# Altium PCB 6502_CPU_MainBoard_PCB_V1_2_x.PcbDoc (part 4 of 4)
Units mil, origin at the board's own origin, x right, y up, seen from the top; angles counter-clockwise.
Board outline 9000 x 6000 mil, 4 copper layers (Top Layer, Plane(GND), Plane(Power), Bottom Layer), stack 23.756 mil thick; 366 components, 374 nets, 1460 pads, 604 vias.
Unrouted connection lines stored in the file: 40.
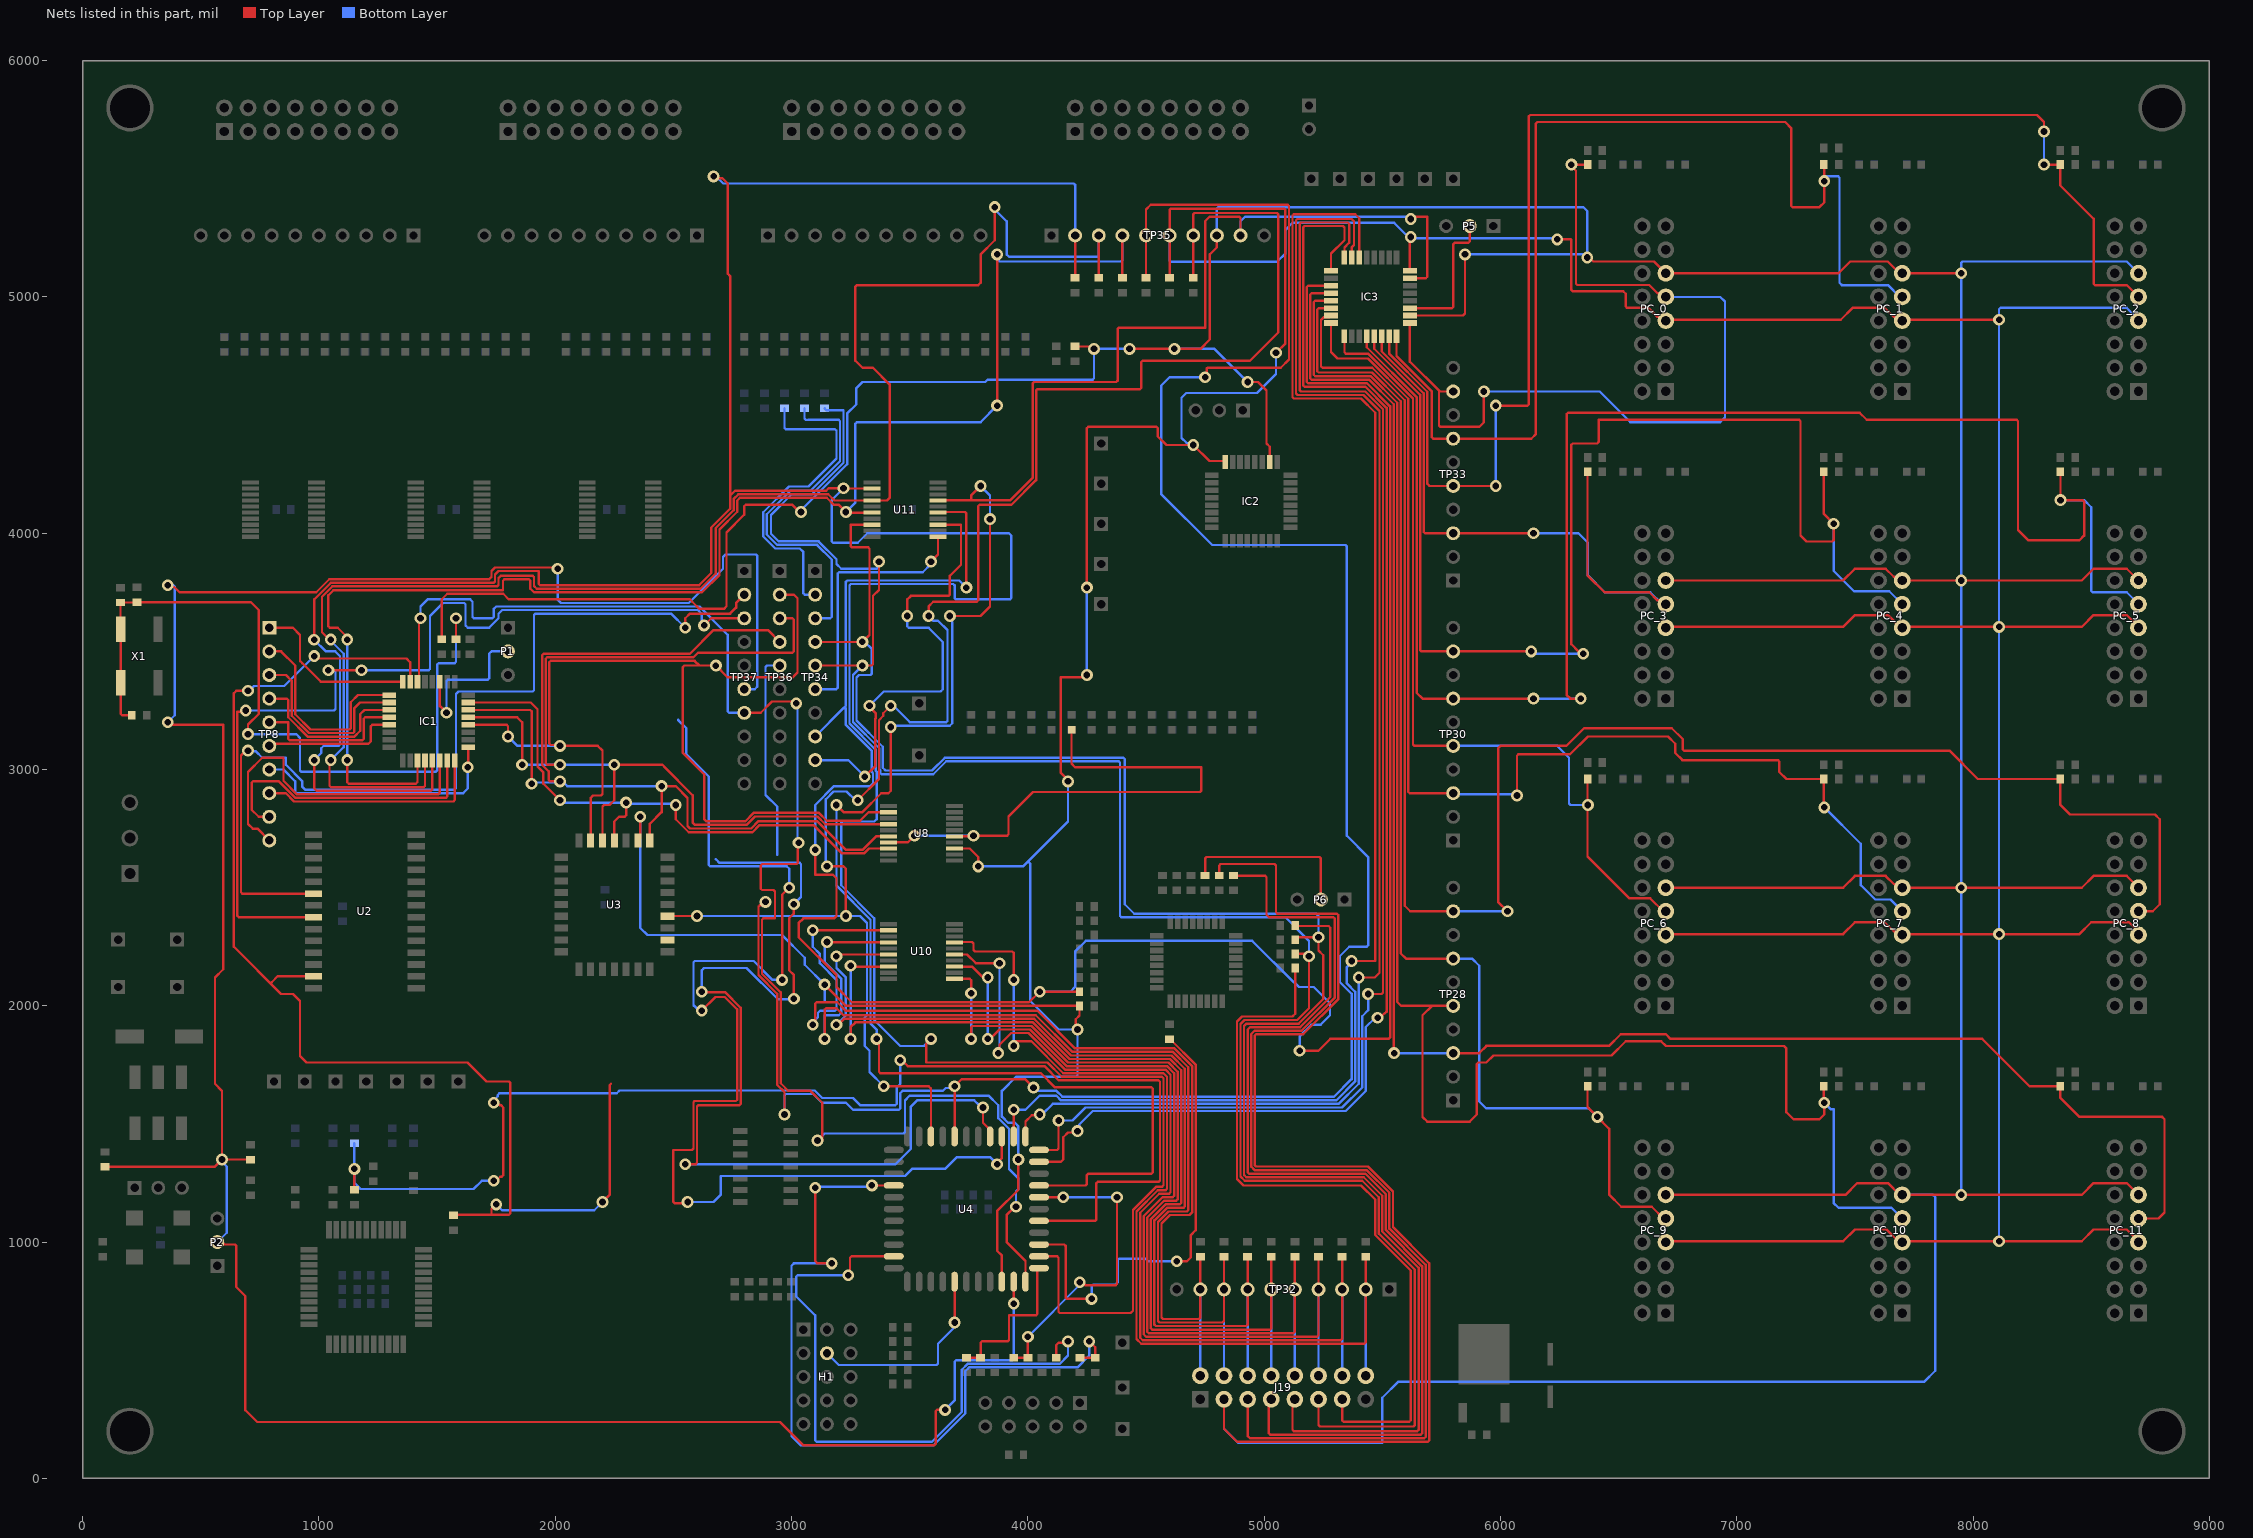
[diagram p6: the nets of this part, all layers, seen from the top]

## Via types
v1: diameter 50, hole 28, Top Layer to Bottom Layer, 604 vias

## Nets (pads, with @x,y where several pads share a name; then routed paths per layer and width w, separated by ;. In a path a pad name is that pad's centre, name@x,y a point inside that pad or via, vN(x,y) a via of type N, cw(c..) or ccw(c..) an arc to the next point about the centre after c; other vN are vias at no path point) (continued)
nSystemReset: IC2.26 IC3.26 J19.3 PC_0.11 PC_1.11 PC_2.11 PC_3.11 PC_4.11 PC_5.11 PC_6.11 PC_7.11 PC_8.11 PC_9.11 PC_10.11 PC_11.11 R58.2 R137.1 R250.2 TP35.8 | length 30336.6
  Top Layer w10: R58.2@1520,3551.5 1520,3720.44 1543.35,3743.79 1779.68,3743.79 1803.46,3720 2570.15,3720 2580,3710.15 2580,3710 2610,3680 2714.14,3680 2725,3690.86 2725,4003.79 2800,4078.79 2800,4114.14 2805.86,4120 3003.43,4120 3033.43,4090 v1(3040,4090) ; R137.1@4200,4790 R137.1@4200,4791.5 4201.5,4790 4274.14,4790 4280,4784.14 v1(4280,4780) ; v1(4430,4780) 4730,4780 4770,4820 4770,5180 4800,5210 TP35.8@4800,5260 ; R250.2@4810,2551.5 4810,2594.14 4815.86,2600 5044.14,2600 5050,2594.14 5050,2395.86 5055.86,2390 5308.28,2390 5314.14,2384.14 5314.14,2029.29 5164.85,1880 4965.91,1880 4960.05,1874.14 4960.05,1325.86 4965.91,1320 5440,1320 5545,1215 5545,1063.64 5698.64,910 5698.64,160.86 5692.78,155 4885,155 4830,210 J19.3@4830,335 ; v1(4930,4640) 4974.14,4640 5010,4604.14 5010,4380 5023.74,4366.26 IC2.26@5023.74,4301.85 ; IC3.26@5616.85,4921.26 5841.26,4921.26 5850,4930 v1(5850,5180) ; v1(6367.02,5167.02) 6375.86,5167.02 6392.87,5150 6650,5150 PC_0.11@6700,5100 7430,5100 7480,5150 7638.79,5150 7688.79,5100 v1(7950,5100) ; PC_9.11@6700,1200 7460,1200 7510,1250 7640,1250 7690,1200 PC_10.11@7700,1200 v1(7950,1200) 8460,1200 8510,1250 8650,1250 PC_11.11@8700,1200 ; PC_6.11@6700,2500 7450,2500 7500,2550 7630,2550 7664.34,2515.66 7667.87,2515.66 7683.53,2500 v1(7950,2500) 8460,2500 8510,2550 8650,2550 PC_8.11@8700,2500 ; PC_3.11@6700,3800 7450,3800 7500,3850 7630,3850 7664.34,3815.66 7667.87,3815.66 7683.53,3800 v1(7950,3800) 8460,3800 8510,3850 8650,3850 PC_5.11@8700,3800
  Bottom Layer w10: v1(3040,4090) 3040,4097.07 3235,4292.07 3235,4506.21 3274.39,4545.61 3274.39,4614.39 3300,4640 3820,4640 3830,4650 4274.14,4650 4280,4655.86 4280,4774.14 4285.86,4780 v1(4430,4780) ; v1(4620,4780) 4790,4780 v1(4930,4640) ; TP35.8@4800,5260 4800,5374.14 4805.86,5380 6350,5380 6367.02,5362.98 v1@6367.02,5180 ; J19.3@4830,335 4830,210 4890,150 5500,150 5500,341.72 5568.28,410 7794.14,410 7840,455.86 7840,1190 7830,1200 PC_10.11@7700,1200 ; v1(5850,5180) v1@6367.02,5180 ; v1(6367.02,5167.02) v1@6367.02,5180 ; v1(7950,1200) v1(7950,2500) v1(7950,3800) v1(7950,5100) 7950,5144.14 7955.86,5150 8650,5150 PC_2.11@8700,5100
OE1_I: H1.5 U4.44 | length 869.1
  Top Layer w10: v1(3690,660) U4.44@3690,832.8
  Bottom Layer w10: H1.5@3150,530 3200,480 3614.14,480 3620,485.86 3620,570 3690,640 v1(3690,660)
Page_0: IC1.20 TP36.2 U3.3 U8.2 | length 4519.9
  Top Layer w10: IC1.20@1631.34,3189.25 1794.14,3189.25 1800,3183.39 v1(1800,3140) ; U3.3@2150,2700 2150,2880 2160,2890 2194.14,2890 2200,2895.86 2200,3080 2180,3100 v1(2020,3100) 2015.86,3104.14 1980.86,3104.14 1975,3110 1975,3454.14 1980.86,3460 2590,3460 2610,3440 ; TP36.2@2950,3740 3010,3740 3025,3725 3025,3410.86 3004.14,3390 2730,3390 v1(2680,3440) 2610,3440 ; U8.2@3410.24,2819.57 3326.18,2819.57 3290,2783.39 3149.04,2783.39 3115.97,2816.45 2839.63,2816.45 2803.79,2780.61 2640,2780.61 2630,2790.61 2630,2980 2540,3070 2540,3434.14 2545.86,3440 2610,3440
  Bottom Layer w10: v1(1800,3140) 1840,3100 v1(2020,3100)
Page_1: IC1.21 TP36.3 U3.2 U8.4 | length 4289.3
  Top Layer w10: IC1.21@1631.34,3220.75 1839.25,3220.75 1860,3200 v1(1860,3020) ; v1(2020,3020) 1965.86,3020 1960,3025.86 1960,3469.14 1965.86,3475 2585,3475 2605,3495 3004.14,3495 3010,3500.86 3010,3634.14 3004.14,3640 TP36.3@2950,3640 ; U3.2@2200,2700 2200,2844.14 2205.86,2850 2230,2850 2250,2870 v1(2250,3020) 2454.14,3020 2460,3014.14 2460,3012.91 2581.45,2891.45 2581.45,2775.86 2591.7,2765.61 2810,2765.61 2845.85,2801.45 3109.76,2801.45 3142.83,2768.39 U8.4@3410.24,2768.39
  Bottom Layer w10: v1(1860,3020) v1(2020,3020) v1(2250,3020)
Page_2: IC1.22 TP36.4 U3.30 U8.6 | length 4251.8
  Top Layer w10: IC1.22@1631.34,3252.24 1894.14,3252.24 1900,3246.39 v1(1900,2940) v1@1907.65,2932.35 ; v1(2020,2950) 1978.18,2950 1972.32,2955.86 1972.32,2992.32 1945,3019.64 1945,3484.14 1950.86,3490 2570,3490 2670,3590 2900,3590 TP36.4@2950,3540 ; U3.30@2400,2700 2400,2770 2450,2820 v1(2450,2930) 2510,2930 2560,2880 2560,2761.21 2570.61,2750.61 2829.39,2750.61 2860.48,2781.69 3108.31,2781.69 3230,2660 3300,2660 3357.2,2717.2 U8.6@3410.24,2717.2
  Bottom Layer w10: v1(1900,2940) 1905,2945 2015,2945 v1(2020,2950) 2030.82,2950 2050.82,2930 v1(2450,2930)
Page_3: IC1.23 TP36.5 U3.1 U8.8 | length 3365
  Top Layer w10: IC1.23@1631.34,3283.74 1896.26,3283.74 1925,3255 1925,3012.57 1950,2987.57 1950,2940 1965.86,2924.14 v1(2020,2870) ; U3.1@2250,2700 2250,2780 2270,2800 2294.14,2800 2300,2805.86 v1(2300,2860) ; v1(2510,2850) 2510,2790 2565,2735 2835,2735 2865,2765 3093.39,2765 3213.39,2645 3306.21,2645 3327.24,2666.02 U8.8@3410.24,2666.02
  Bottom Layer w10: v1(2020,2870) 2030,2860 v1(2300,2860) 2305,2855 2505,2855 v1(2510,2850) v1@2510,2860.82 ; 2940,2640 2940,2842.93 2890,2892.93 2890,3434.14 2895.86,3440 TP36.5@2950,3440
PageRegister_CS: IC1.30 TP37.7 U4.6 | length 6509.2
  Top Layer w10: IC1.30@1417.24,3371.85 1423.62,3378.23 1423.62,3633.62 v1(1430,3640) ; TP37.7@2800,3240 2870,3240 2917.65,3287.65 3012.35,3287.65 v1(3020,3280) ; v1(3030,2690) 3026.72,2686.72 3026.72,2605.86 3020.86,2600 2875.86,2600 2870,2594.14 2870,2495.86 2875.86,2490 2924.14,2490 2930,2484.14 2930,2370 2880.86,2370 2875,2364.14 2875,2136.21 2954.11,2057.11 2954.11,1672.11 2986.21,1640 3080,1640 3130,1590 3130,1430 3124.14,1424.14 3115.86,1424.14 v1(3110,1430) ; v1(3950,1150) 3945.41,1150 3910,1114.59 3910,1000 3990,920 U4.6@3990,832.8
  Bottom Layer w10: v1(1430,3640) 1430,3690 1460,3720 1640,3720 1650,3710 1650,3645.86 1655.86,3640 1734.14,3640 1740,3645.86 1740,3680 1750,3690 2610,3690 2730,3570 2730,3245.86 2735.86,3240 TP37.7@2800,3240 ; v1(3020,3280) 3025,3275 3025,2695 v1(3030,2690) ; v1(3110,1430) 3140,1460 3474.14,1460 3480,1465.86 3480,1600 3500,1620 3834.14,1620 3875,1579.14 3875,1525 3920,1480 3920,1310 3960,1270 3960,1225.41 3950,1215.41 v1(3950,1150)
PC0: IC3.25 PC_0.9 R134.1 TP33.9 | length 3689.3
  Top Layer w10: IC3.25@5616.85,4889.76 5616.85,4726.08 5741.46,4601.46 ; TP33.9@5800,4600 5740,4600 5740,4455.86 5745.86,4450 5910,4450 5930,4470 v1(5930,4600) ; R134.1@6368.5,5560 v1(6300,5560) 6300,5553.9 6319.75,5534.14 6319.75,5056.1 6325.61,5050.25 6629.75,5050.25 6664.34,5015.66 6667.87,5015.66 6683.53,5000 PC_0.9@6700,5000
  Bottom Layer w10: v1(5930,4600) 6420,4600 6550,4470 6930,4470 6950,4490 6950,4980 6930,5000 PC_0.9@6700,5000
PC1: IC3.24 PC_1.9 R133.1 TP33.7 | length 4805.4
  Top Layer w10: IC3.24@5560.24,4833.15 5560.24,4749.76 5710,4600 5710,4405.86 5715.86,4400 TP33.7@5800,4400 6130,4400 6150,4420 6150,5734.14 6155.86,5740 7205,5740 7230,5715 7230,5385.86 7235.86,5380 7350,5380 7370,5400 v1(7370,5490) 7370,5558.5 R133.1@7368.5,5560
  Bottom Layer w10: v1(7370,5490) 7375.86,5495.86 7375.86,5510 7429.14,5510 7435,5504.14 7435,5060 7445,5050 7640,5050 7690,5000 PC_1.9@7700,5000
PC2: IC3.23 PC_2.9 R132.1 TP33.5 | length 5904
  Top Layer w10: IC3.23@5528.74,4833.15 5528.74,4760.05 5690,4598.79 5690,4210 5700,4200 TP33.5@5800,4200 v1(5980,4200) ; v1(5980,4540) 6114.14,4540 6120,4545.86 6120,5764.14 6125.86,5770 8270,5770 8300,5740 v1(8300,5700) ; v1(8300,5560) R132.1@8368.5,5560 8368.5,5472.71 8510,5331.21 8510,5055.86 8515.86,5050 8650,5050 PC_2.9@8700,5000
  Bottom Layer w10: v1(5980,4200) v1(5980,4540) ; v1(8300,5560) v1(8300,5700)
PC3: IC3.22 PC_3.9 R131.1 TP33.3 | length 2954.2
  Top Layer w10: IC3.22@5497.24,4833.15 5497.24,4770.33 5675,4592.57 5675,4005.86 5680.86,4000 v1(6140,4000) ; R131.1@6368.5,4260 6368.5,3821.5 6440,3750 6630,3750 6664.34,3715.66 6667.87,3715.66 6683.53,3700 PC_3.9@6700,3700
  Bottom Layer w10: v1(6140,4000) 6330,4000 6370,3960 6370,3821.21 6441.21,3750 6633.53,3750 6683.53,3700 PC_3.9@6700,3700
PC4: IC3.21 PC_4.9 R130.1 TP30.9 | length 5579.4
  Top Layer w10: IC3.21@5465.75,4833.15 5465.75,4780.61 5660,4586.36 5660,3505.86 5665.86,3500 TP30.9@5800,3500 v1(6130,3500) ; v1(6350,3490) 6350,3494.14 6344.14,3500 6330,3500 6300,3530 6300,4374.14 6305.86,4380 6409.42,4380 6415.28,4385.86 6415.28,4480 7264.14,4480 7270,4474.14 7270,3990 7295,3965 7404.14,3965 7410,3970.86 v1(7410,4040) 7368.5,4081.5 R130.1@7368.5,4260
  Bottom Layer w10: v1(6130,3500) 6140,3490 v1(6350,3490) ; v1(7410,4040) 7410,3841.21 7496.65,3754.57 7645.43,3754.57 PC_4.9@7700,3700
PC5: IC3.20 PC_5.9 R129.1 TP30.7 | length 7337.6
  Top Layer w10: IC3.20@5434.25,4833.15 5434.25,4786.96 5645,4576.21 5645,3325 5670,3300 TP30.7@5800,3300 v1(6140,3300) ; v1(6340,3300) 6295.86,3300 6280,3315.86 6280,4504.14 6285.86,4510 7520,4510 7550,4480 8184.14,4480 8190,4474.14 8190,4013.28 8234.14,3969.14 8235,3970 8450,3970 8470,3990 8470,4134.14 8464.14,4140 v1(8370,4140) 8370,4258.5 R129.1@8368.5,4260
  Bottom Layer w10: v1(6140,3300) v1(6340,3300) ; v1(8370,4140) 8470,4140 8500,4110 8500,3755.86 8505.86,3750 8650,3750 PC_5.9@8700,3700
PC6: IC3.17 PC_6.9 R128.1 TP30.5 | length 3618.4
  Top Layer w10: IC3.17@5339.76,4833.15 5339.76,4765.86 5345.62,4760 5440,4760 5630,4570 5630,3105.86 5635.86,3100 TP30.5@5800,3100 ; R128.1@6368.5,2960 6368.5,2631.5 6545.43,2454.57 6634.22,2454.57 6688.79,2400 PC_6.9@6700,2400
  Bottom Layer w10: TP30.5@5800,3100 6240,3100 6290,3050 6290,2855.86 6295.86,2850 v1(6370,2850)
PC7: IC3.16 PC_7.9 R127.1 TP30.3 | length 5020.9
  Top Layer w10: IC3.16@5283.15,4889.76 5283.15,4766.85 5310.61,4739.39 5439.39,4739.39 5610,4568.79 5610,2905.86 5615.86,2900 TP30.3@5800,2900 ; v1(6070,2890) 6070,3058.54 6075.86,3064.39 6294.39,3064.39 6370,3140 6708.79,3140 6740,3108.79 6740,3070 6770,3040 7174.14,3040 7180,3034.14 7180,2990 7210,2960 R127.1@7368.5,2960 7368.5,2841.5 v1(7370,2840)
  Bottom Layer w10: TP30.3@5800,2900 5805,2895 6065,2895 v1(6070,2890) ; v1(7370,2840) 7371.21,2840 7525,2686.21 7525,2510.75 7585.75,2450 7650,2450 PC_7.9@7700,2400
PC8: IC3.15 PC_8.9 R299.1 TP28.9 | length 7497.3
  Top Layer w10: IC3.15@5283.15,4921.26 5276.34,4914.45 5252.85,4914.45 5240.86,4902.46 5240.86,4705.86 5246.72,4700 5457.57,4700 5595,4562.57 5595,2423.28 5618.28,2400 TP28.9@5800,2400 ; v1(6030,2400) 5990,2440 5990,3090 6000,3100 6278.79,3100 6353.79,3175 6725,3175 6771.21,3128.79 6771.21,3085.25 6777.07,3079.39 6930.61,3079.39 6931.21,3080 7900,3080 8020,2960 R299.1@8368.5,2960 8368.5,2851.5 8410,2810 8770,2810 8790,2790 8790,2430 8760,2400 PC_8.9@8700,2400
  Bottom Layer w10: TP28.9@5800,2400 v1(6030,2400)
PC9: IC3.14 PC_9.9 R298.1 TP28.7 | length 5297.4
  Top Layer w10: IC3.14@5283.15,4952.76 5230.86,4952.76 5225,4946.9 5225,4685.86 5230.86,4680 5456.36,4680 5578.18,4558.18 5578.18,2221.82 5600,2200 TP28.7@5800,2200 ; R298.1@6368.5,1660 6368.5,1571.5 v1(6410,1530) 6460,1480 6460,1201.21 6511.21,1150 6640,1150 6690,1100 PC_9.9@6700,1100
  Bottom Layer w10: TP28.7@5800,2200 5880,2200 5910,2170 5910,1595.86 5939.1,1566.76 6373.24,1566.76 v1(6410,1530)
PC10: IC3.13 PC_10.9 R297.1 TP28.5 | length 7214.1
  Top Layer w10: IC3.13@5283.15,4984.25 5215.86,4984.25 5210,4978.39 5210,4670.86 5215.86,4665 5450,4665 5563.18,4551.82 5563.18,2016.82 5580,2000 5710,2000 ; TP28.5@5800,2000 5710,2000 ; R297.1@7368.5,1660 7368.5,1591.5 v1(7370,1590) 7370,1540 7350,1520 7240,1520 7210,1550 7210,1820 7200,1830 6700,1830 6680,1850 6530,1850 6470,1790 5970,1790 5940,1760 5905.86,1760 5900,1754.14 5900,1540 5870,1510 5690,1510 5670,1530 5670,1960 5710,2000
  Bottom Layer w10: v1(7370,1590) 7398.25,1561.75 7410,1561.75 7410,1165.86 7430.42,1145.43 7654.57,1145.43 PC_10.9@7700,1100
PC11: IC3.12 PC_11.9 R295.1 TP28.3 | length 7575.3
  Top Layer w10: IC3.12@5283.15,5015.75 5200.86,5015.75 5195,5009.89 5195,4655.86 5200.86,4650 5443.79,4650 5548.18,4545.61 5548.18,1801.82 v1(5550,1800) ; TP28.3@5800,1800 5910,1800 5940.61,1830.61 6459.39,1830.61 6508.79,1880 6700,1880 6720,1860 8038.79,1860 8238.79,1660 R295.1@8368.5,1660 8368.5,1611.5 8450,1530 8800,1530 8810,1520 8810,1125.86 8784.14,1100 PC_11.9@8700,1100
  Bottom Layer w10: v1(5550,1800) TP28.3@5800,1800
PCZ80: IC3.11 R266.1 TP34.8 U11.15 | length 10236.1
  Top Layer w10: v1(3100,2660) 3100,2555 3175,2555 3190,2540 3190,2380 3180,2370 3050,2370 3030,2350 3030,2290 3190,2130 3190,2080 3255,2015 4005,2015 v1(4050,2060) R266.1@4218.5,2060 ; U11.15@3619.76,4087.2 3622.56,4090 3734.14,4090 3740,4084.14 v1(3740,3770) ; v1(5150,1810) 5230,1810 5280,1860 5527.32,1860 5533.18,1865.86 5533.18,4536.82 5435,4635 5185.86,4635 5180,4640.86 5180,5041.39 5185.86,5047.24 IC3.11@5283.15,5047.24
  Bottom Layer w10: v1(3100,2660) 3100,2850 3180,2930 3334.14,2930 3345,2940.86 3345,2984.5 3340,2989.5 3340,3078.79 3230,3188.79 3230,3260 3220,3260 ; TP34.8@3100,3140 3220,3260 ; v1(3740,3770) 3710,3800 3235.86,3800 3230,3794.14 3230,3270 3220,3260 ; v1(4050,2060) 4180,2060 4200,2080 4200,2230 4245,2275 4950,2275 5126.21,2098.79 5128.79,2098.79 5147.57,2080 5210,2080 5278.79,2011.21 5278.79,1960 5238.79,1920 5200,1920 5150,1870 v1(5150,1810)
PCZ80_Extra: R270.1 U4.9 | length 2012.9
  Top Layer w10: U4.9@4047.2,990 4154.14,990 4160,984.14 4160,765.86 4165.86,760 v1(4270,760) ; R270.1@4600,1858.5 4602.95,1858.5 4710,1751.46 4710,1050 4690,1030 4690,935.86 4673.28,919.14 v1(4630,919.14)
  Bottom Layer w10: v1(4270,760) 4270,814.14 4275.86,820 4370,820 4380,830 4380,924.14 4385.86,930 4497.09,930 4507.95,919.14 v1(4630,919.14)
PCZ80CLK: TP34.9 U11.13 | length 1999.4
  Top Layer w10: v1(3310,2970) 3355,3015 3355,3215 3355.86,3215.86 3355.86,3239.29 3330,3265.15 v1(3330,3270) ; v1(3490,3650) 3490,3720 3505,3735 3664.14,3735 3670,3740.86 3670,3820 3716.87,3866.87 3716.87,4036.02 U11.13@3619.76,4036.02
  Bottom Layer w10: TP34.9@3100,3040 3240,3040 v1(3310,2970) ; v1(3330,3270) 3390,3330 3630,3330 3640,3340 3640,3540 3580,3600 3495.86,3600 3490,3605.86 v1(3490,3650)
PG_PA2: IC1.32 TP8.1 | length 723.2
  Top Layer w10: TP8.1@790,3600 890,3600 920,3570 920,3460 930,3450 1008.15,3371.85 IC1.32@1354.25,3371.85
PG_PA3: IC1.1 TP8.2 | length 890.2
  Top Layer w10: TP8.2@790,3500 840,3500 900,3440 900,3233.64 964.25,3169.39 1129.14,3169.39 1135,3175.24 1135,3285 1165.24,3315.24 IC1.1@1297.64,3315.24
PG_PA4: IC1.2 TP8.3 | length 807.8
  Top Layer w10: TP8.3@790,3400 860,3400 885,3375 885,3227.43 958.04,3154.39 1144.14,3154.39 1150,3160.24 1150,3260 1173.74,3283.74 IC1.2@1297.64,3283.74
PG_PA5: IC1.3 TP8.4 | length 705.2
  Top Layer w10: TP8.4@790,3300 864.14,3300 870,3294.14 870,3221.21 951.83,3139.39 1150.36,3139.39 1175,3164.03 1175,3235 1192.24,3252.24 IC1.3@1297.64,3252.24
PG_PA6: IC1.4 TP8.5 | length 669.3
  Top Layer w10: TP8.5@790,3200 870,3200 870,3130.24 875.86,3124.39 1184.14,3124.39 1190,3130.24 1190,3214.89 1195.86,3220.75 IC1.4@1297.64,3220.75
PG_PA7: IC1.5 TP8.6 | length 581.7
  Top Layer w10: TP8.6@790,3100 799.39,3109.39 1209.39,3109.39 1220,3120 1220,3183.39 1225.86,3189.25 IC1.5@1297.64,3189.25
PG_PF4: IC1.14 TP8.10 | length 1435.6
  Top Layer w10: TP8.10@790,2700 740,2750 720,2750 700,2770 700,2990 760,3050 850,3050 850,2952.43 907.43,2895 1504.14,2895 1511.73,2902.59 IC1.14@1511.73,3038.15
PG_PF5: IC1.15 TP8.9 | length 1215.9
  Top Layer w10: TP8.9@790,2800 745,2800 715,2830 715,2944.14 720.86,2950 831.21,2950 901.21,2880 1537.37,2880 1543.23,2885.86 IC1.15@1543.23,3038.15
PG_PF6: IC1.16 TP8.8 | length 968.9
  Top Layer w10: TP8.8@790,2900 860,2900 895,2865 1568.87,2865 1574.72,2870.86 IC1.16@1574.72,3038.15
PG_PF7: IC1.17 TP8.7 | length 1090.9
  Top Layer w10: v1(1630,3010) 1631.34,3011.34 IC1.17@1631.34,3094.76
  Bottom Layer w10: TP8.7@790,3000 850,3000 900,2950 900,2905.86 905.86,2900 1610,2900 1630,2920 v1(1630,3010)
PG_UPDI: IC1.27 P1.2 | length 650.8
  Top Layer w10: IC1.27@1511.73,3371.85 1511.73,3268.27 v1(1540,3240)
  Bottom Layer w10: v1(1540,3240) 1540,3374.14 1545.86,3380 1714.14,3380 1720,3385.86 1720,3490 1730,3500 P1.2@1800,3500
PGM_Mode: IC1.13 R165.1 TP35.2 U4.8 U11.2 | length 14967.5
  Top Layer w10: v1(979.66,3549.64) 980,3549.98 980,3720 1050,3790 1739.14,3790 1745,3795.86 1745,3825 1760,3840 1930,3840 1930,3785.86 1935.86,3780 2608.79,3780 2660.25,3831.46 2660.25,3839.75 2660,3840 2660,4023.64 2740,4103.64 2740,4158.71 ; v1(980,3040) 980,2920 990,2910 1474.14,2910 1480,2915.86 1480,3040 1480.24,3039.76 IC1.13@1480.24,3038.15 ; v1(2670,5510) 2677.65,5502.35 2707.65,5502.35 2730,5480 2730,5098.79 2740,5088.79 2740,4158.71 ; U11.2@3340.24,4189.57 3220.43,4189.57 v1(3220,4190) 3156.65,4190 3146.65,4180 2761.29,4180 2740,4158.71 ; v1(3590,1860) 3570,1840 3570,1760 4083.79,1760 4143.79,1700 4567.75,1700 4573.96,1693.79 4573.96,1240.86 4568.11,1235 4543.79,1235 4445,1136.21 4445,710 4435,700 4135.86,700 4130,705.86 4130,934.14 4124.14,940 U4.8@4047.2,940 ; R165.1@4200,5081.5 TP35.2@4200,5260
  Bottom Layer w10: v1(979.66,3549.64) 1029.3,3500 1068.79,3500 1089.39,3479.39 1089.39,3106.46 1083.54,3100.61 1020.61,3100.61 1010,3090 1010,3070 v1(980,3040) ; v1(2670,5510) 2680.82,5510 2710.82,5480 4194.14,5480 4200,5474.14 TP35.2@4200,5260 ; v1(3220,4190) 3170,4140 3170,3965.86 3175.86,3960 3280,3960 3320,4000 3920,4000 3930,3990 3930,3725.86 3924.14,3720 3695.86,3720 3690,3725.86 3690,3779.14 3684.14,3785 3250.86,3785 3245,3779.14 3245,3195 3355.86,3084.14 3355.86,2994.85 3360,2990.71 3360,2790 3350,2780 3215.86,2780 3210,2774.14 3210,2510 3350,2370 3350,1940 3460,1830 3560,1830 v1(3590,1860)
PGM_Page_0: IC1.12 R169.1 TP35.3 U11.4 | length 6949.9
  Top Layer w10: v1@1045,3040 1045,2931.46 1051.46,2925 1442.88,2925 1448.74,2930.86 IC1.12@1448.74,3038.15 ; v1(1050,3550) 1043.43,3550 1012.75,3580.68 1012.75,3731.54 1056.21,3775 1754.14,3775 1760,3780.86 1760,3810 1770,3820 1904.14,3820 1910,3814.14 1910,3776.46 1921.46,3765 2615,3765 2678.79,3828.79 2678.79,4021.21 2755,4097.43 2755,4145 2775,4165 3155,4165 3181.61,4138.39 U11.4@3340.24,4138.39 3404.14,4138.39 3415,4149.24 3415,4630 3345,4700 3300,4700 3270,4730 3270,5044.14 3275.86,5050 3790,5050 3800,5060 3800,5180 3860,5240 v1(3860,5380) ; R169.1@4300,5081.5 TP35.3@4300,5260